# KiCad board Keyboard.kicad_pcb
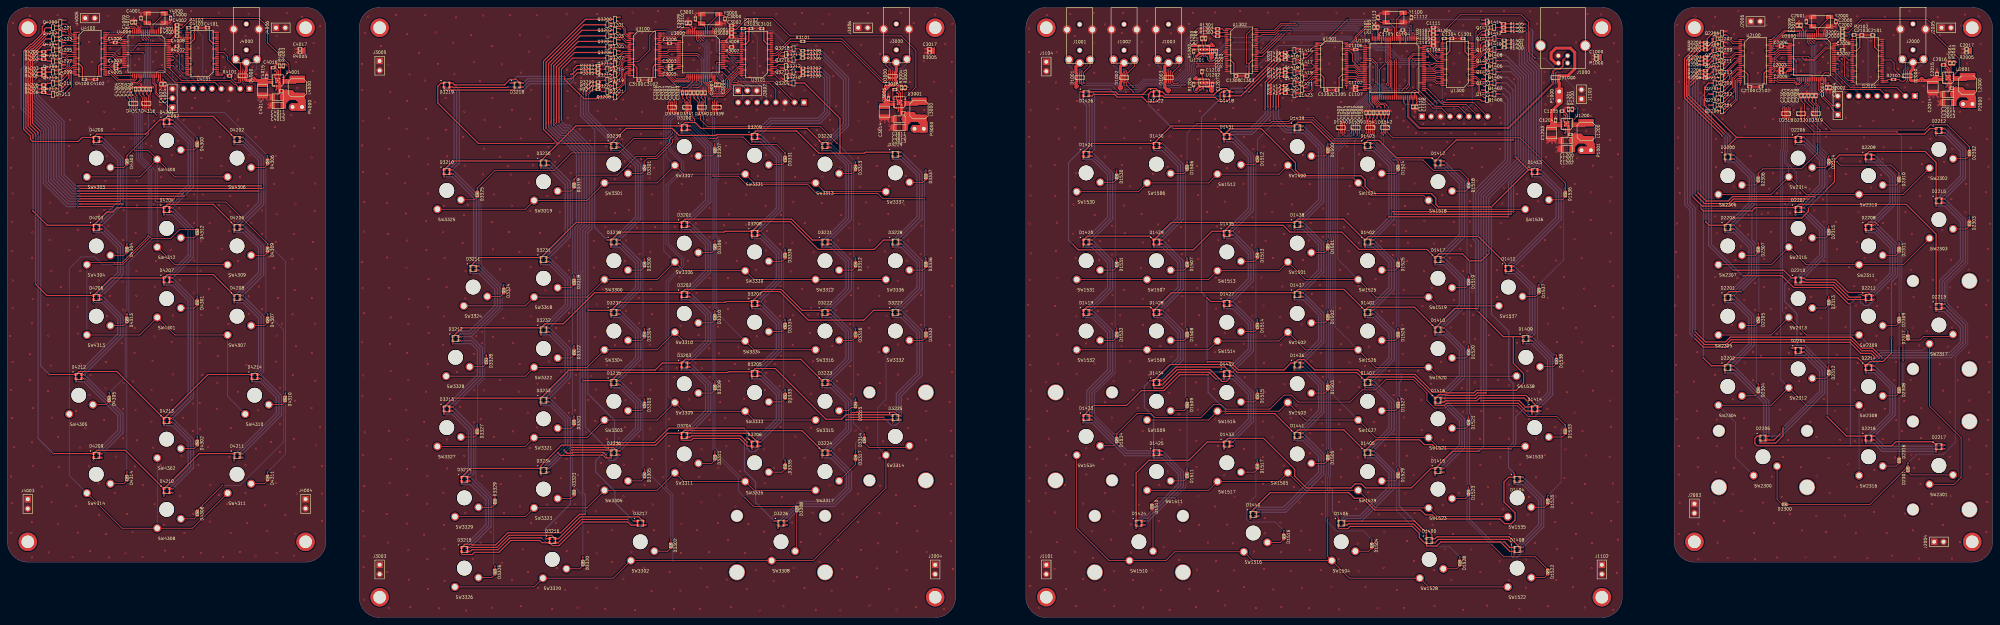
[diagram p0: board, top side]
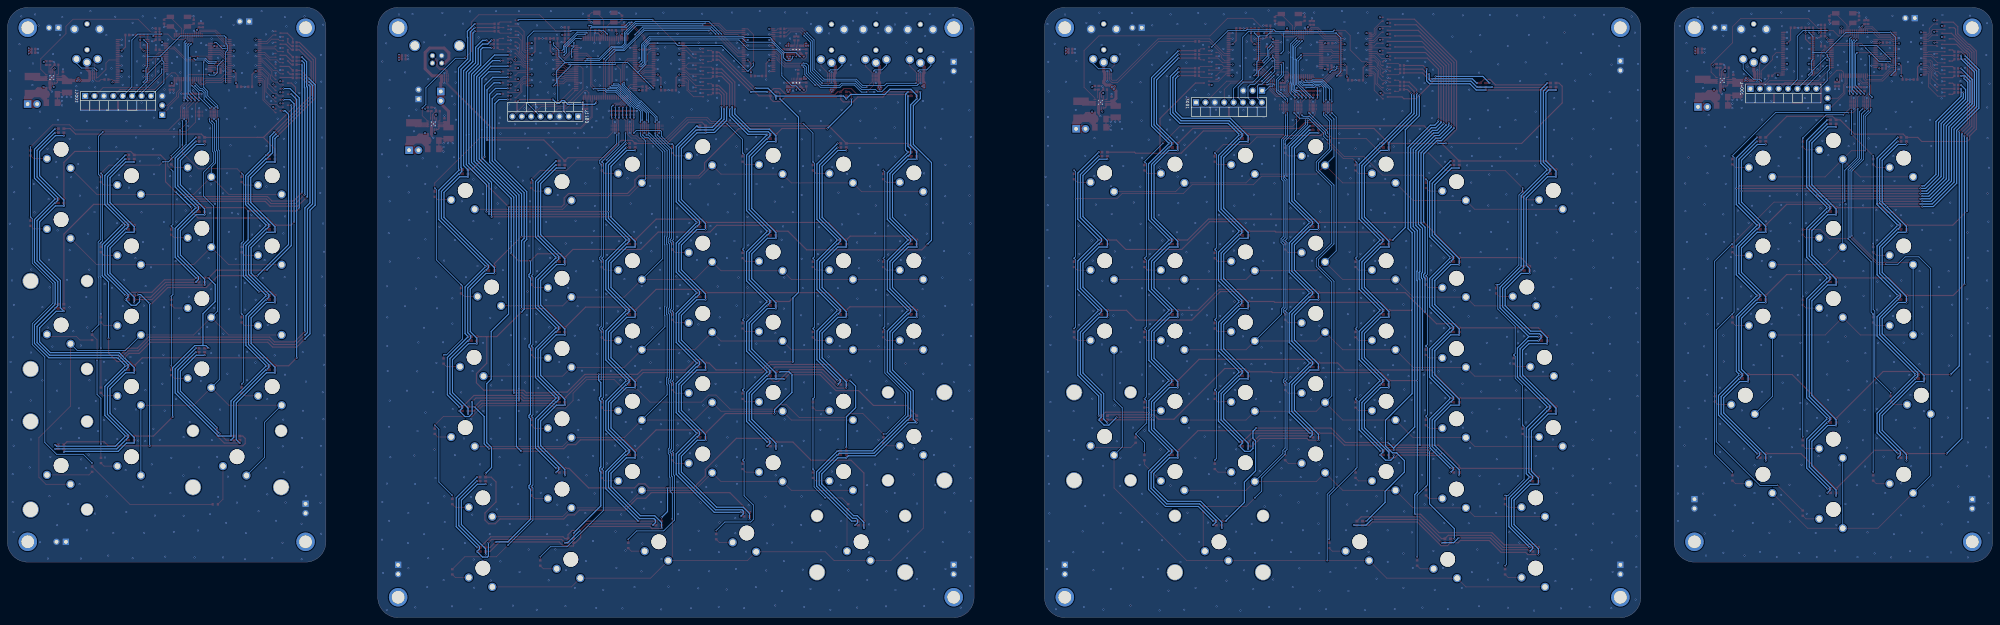
[diagram p1: board, bottom side, seen from below]

Outline 536 x 165 mm; copper layers: Top, In1.Cu (plane), In2.Cu (plane), Bottom. Coordinates in mm from the lower left corner of the outline.
Outline path: 0,159.5 0,20.5 arc(1.61,16.61) 5.5,15 80.5,15 arc(84.39,16.61) 86,20.5 86,159.5 arc(84.39,163.39) 80.5,165 5.5,165 arc(1.61,163.39) 0,159.5 ; 95,159.5 95,5.5 arc(96.61,1.61) 100.5,0 250.5,0 arc(254.39,1.61) 256,5.5 256,159.5 arc(254.39,163.39) 250.5,165 100.5,165 arc(96.61,163.39) 95,159.5 ; 275,159.5 275,5.5 arc(276.61,1.61) 280.5,0 430.5,0 arc(434.39,1.61) 436,5.5 436,159.5 arc(434.39,163.39) 430.5,165 280.5,165 arc(276.61,163.39) 275,159.5 ; 450,159.5 450,20.5 arc(451.61,16.61) 455.5,15 530.5,15 arc(534.39,16.61) 536,20.5 536,159.5 arc(534.39,163.39) 530.5,165 455.5,165 arc(451.61,163.39) 450,159.5
Stack: Top 0.035mm / dielectric 0.14mm FR4 er 4.5 / In1.Cu 0.035mm / dielectric 1.2mm FR4 er 4.5 / In2.Cu 0.035mm / dielectric 0.14mm FR4 er 4.5 / Bottom 0.035mm

## Placement (name value [footprint] x y rotation side)
C1000  4.7nF_50V  [C_0402]  429 152 180 top
C1100  1.0uF_6.3V  [C_0402]  370 159.6 270 top
C1101  100nF_16V  [C_0402]  369 159.6 90 top
C1102  2.2uF_6.3V  [C_0402]  364 143.6 0 top
C1103  4.7uF_6.3V  [C_0402]  385 155.6 0 top
C1104  100nF_16V  [C_0402]  376.75 158.85 180 top
C1105  100nF_16V  [C_0402]  372.25 158.85 180 top
C1106  100nF_16V  [C_0402]  364 153.6 0 top
C1107  100nF_16V  [C_0402]  364 142.6 0 top
C1108  100nF_16V  [C_0402]  380.5 138.1 90 top
C1109  100nF_16V  [C_0402]  385 154.6 180 top
C1110  2.2uF_6.3V  [C_0402]  379.5 138.1 90 top
C1111  100nF_16V  [C_0402]  385 159.6 180 top
C1112  18pF_50V  [C_0402]  379.05 162.25 270 top
C1113  18pF_50V  [C_0402]  370.05 162.25 90 top
C1200  100nF_16V  [C_0402]  422 130.65 180 top
C1201  10uF_16V  [C_1206]  421 129 180 top
C1202  10uF_16V  [C_1206]  421 126.75 180 top
C1203  10uF_35V  [C_1210]  416.9 131 270 top
C1204  100nF_16V  [C_0402]  418 134.5 90 top
C1205  390pF_50V  [C_0402]  419.75 136.95 0 top
C1206  100nF_16V  [C_0402]  325.4 153.15 90 top
C1207  100nF_16V  [C_0402]  325.4 144.15 90 top
C1208  10nF_25V  [C_0402]  323.5 156.6 270 top
C1209  10nF_25V  [C_0402]  322.5 156.6 270 top
C1210  10nF_25V  [C_0402]  322.5 147.6 270 top
C1300  100nF_16V  [C_0402]  331.7 146.45 0 top
C1301  100nF_16V  [C_0402]  393 156.6 180 top
C1302  100nF_16V  [C_0402]  356 142.6 0 top
C1303  100nF_16V  [C_0402]  334.7 146.45 180 top
C1304  100nF_16V  [C_0402]  390 156.6 0 top
C1305  100nF_16V  [C_0402]  359 142.6 180 top
C1500  220pF_50V  [C_0402]  366.85 136.5 90 top
C1501  220pF_50V  [C_0402]  367.85 136.5 90 top
C1502  220pF_50V  [C_0402]  368.85 136.5 90 top
C1503  220pF_50V  [C_0402]  369.85 136.5 90 top
C1504  220pF_50V  [C_0402]  370.85 136.5 90 top
C1505  220pF_50V  [C_0402]  371.85 136.5 90 top
C1506  220pF_50V  [C_0402]  372.85 136.5 90 top
C2000  18pF_50V  [C_0402]  493.69 161.14 270 top
C2001  18pF_50V  [C_0402]  485.69 161.14 90 top
C2002  100nF_16V  [C_0402]  495.44 159.29 180 top
C2003  2.2uF_6.3V  [C_0402]  478.94 148.34 0 top
C2004  4.7uF_6.3V  [C_0402]  492.14 143.29 270 top
C2005  100nF_16V  [C_0402]  478.94 147.34 0 top
C2006  100nF_16V  [C_0402]  478.94 154.54 0 top
C2007  100nF_16V  [C_0402]  491.14 143.29 90 top
C2008  100nF_16V  [C_0402]  495.44 156.29 180 top
C2009  1.0uF_6.3V  [C_0402]  483.24 160.14 270 top
C2010  100nF_16V  [C_0402]  484.24 160.14 90 top
C2011  100nF_16V  [C_0402]  525 143.15 180 top
C2012  10uF_16V  [C_1206]  524 139.25 180 top
C2013  10uF_16V  [C_1206]  524 141.5 180 top
C2014  10uF_35V  [C_1210]  519.9 143.5 270 top
C2015  100nF_16V  [C_0402]  521 147 90 top
C2016  390pF_50V  [C_0402]  522.75 149.45 0 top
C2017  4.7nF_50V  [C_0402]  529 153.75 180 top
C2100  100nF_16V  [C_0402]  470.44 143.54 0 top
C2101  100nF_16V  [C_0402]  503.64 157.54 180 top
C2102  100nF_16V  [C_0402]  473.44 143.54 180 top
C2103  100nF_16V  [C_0402]  500.69 157.54 0 top
C2300  220pF_50V  [C_0402]  488.29 141.14 90 top
C2301  220pF_50V  [C_0402]  487.29 141.14 90 top
C2302  220pF_50V  [C_0402]  486.29 141.14 90 top
C2303  220pF_50V  [C_0402]  485.29 141.14 90 top
C2304  220pF_50V  [C_0402]  484.29 141.14 90 top
C3000  18pF_50V  [C_0402]  193.75 161.9 270 top
C3001  18pF_50V  [C_0402]  185.75 161.9 90 top
C3002  100nF_16V  [C_0402]  195.5 160.05 180 top
C3003  2.2uF_6.3V  [C_0402]  179 149.3 0 top
C3004  4.7uF_6.3V  [C_0402]  192.2 144.05 270 top
C3005  100nF_16V  [C_0402]  179 148.3 0 top
C3006  100nF_16V  [C_0402]  178.8 155.3 0 top
C3007  100nF_16V  [C_0402]  191.2 144.05 90 top
C3008  100nF_16V  [C_0402]  195.5 157.05 180 top
C3009  1.0uF_6.3V  [C_0402]  183.3 160.8 270 top
C3010  100nF_16V  [C_0402]  184.3 160.8 90 top
C3011  100nF_16V  [C_0402]  241.88 136.47 180 top
C3012  10uF_16V  [C_1206]  240.88 134.82 180 top
C3013  10uF_16V  [C_1206]  240.88 132.57 180 top
C3014  10uF_35V  [C_1210]  236.77 136.82 270 top
C3015  100nF_16V  [C_0402]  237.88 140.32 90 top
C3016  390pF_50V  [C_0402]  239.62 142.78 0 top
C3017  4.7nF_50V  [C_0402]  249 153.75 180 top
C3100  100nF_16V  [C_0402]  170.5 145.3 0 top
C3101  100nF_16V  [C_0402]  203.7 159.3 180 top
C3102  100nF_16V  [C_0402]  173.5 145.3 180 top
C3103  100nF_16V  [C_0402]  200.75 159.3 0 top
C3300  220pF_50V  [C_0402]  188.35 141.9 90 top
C3301  220pF_50V  [C_0402]  187.35 141.9 90 top
C3302  220pF_50V  [C_0402]  186.35 141.9 90 top
C3303  220pF_50V  [C_0402]  185.35 141.9 90 top
C3304  220pF_50V  [C_0402]  184.35 141.9 90 top
C3305  220pF_50V  [C_0402]  183.35 141.9 90 top
C3306  220pF_50V  [C_0402]  182.3 141.9 90 top
C4000  18pF_50V  [C_0402]  44.05 162.1 270 top
C4001  18pF_50V  [C_0402]  36.05 162.1 90 top
C4002  100nF_16V  [C_0402]  45.8 160.25 180 top
C4003  2.2uF_6.3V  [C_0402]  29.3 149.5 0 top
C4004  4.7uF_6.3V  [C_0402]  42.5 144.25 270 top
C4005  100nF_16V  [C_0402]  29.3 148.5 0 top
C4006  100nF_16V  [C_0402]  29.1 155.5 0 top
C4007  100nF_16V  [C_0402]  41.5 144.25 90 top
C4008  100nF_16V  [C_0402]  45.8 157.25 180 top
C4009  1.0uF_6.3V  [C_0402]  33.6 161 270 top
C4010  100nF_16V  [C_0402]  34.6 161 90 top
C4011  100nF_16V  [C_0402]  74 142.4 180 top
C4012  10uF_16V  [C_1206]  73 138.5 180 top
C4013  10uF_16V  [C_1206]  73 140.75 180 top
C4014  10uF_35V  [C_1210]  68.9 142.75 270 top
C4015  100nF_16V  [C_0402]  70 146.25 90 top
C4016  390pF_50V  [C_0402]  71.75 148.7 0 top
C4017  4.7nF_50V  [C_0402]  79 153.8 180 top
C4100  100nF_16V  [C_0402]  20.8 145.5 0 top
C4101  100nF_16V  [C_0402]  54 159.5 180 top
C4102  100nF_16V  [C_0402]  23.8 145.5 180 top
C4103  100nF_16V  [C_0402]  51.05 159.5 0 top
C4300  220pF_50V  [C_0402]  38.6 142.9 90 top
C4301  220pF_50V  [C_0402]  37.6 142.9 90 top
C4302  220pF_50V  [C_0402]  36.6 142.9 90 top
C4303  220pF_50V  [C_0402]  35.6 142.9 90 top
C4304  220pF_50V  [C_0402]  34.6 142.9 90 top
D1000  TPD4E02B04  [USON10]  418 146 90 top
D1001  TPD4E02B04  [USON10]  289.5 146 90 top
D1002  TPD4E02B04  [USON10]  301.5 146 90 top
D1003  TPD4E02B04  [USON10]  313.5 146 90 top
D1400  APTF1616LSEEZGKQBKC  [APTF1616-RGB]  383.88 20.8 180 top
D1401  APTF1616LSEEZGKQBKC  [APTF1616-RGB]  367.25 82.55 180 top
D1402  APTF1616LSEEZGKQBKC  [APTF1616-RGB]  367.25 101.55 180 top
D1403  APTF1616LSEEZGKQBKC  [APTF1616-RGB]  367.25 127.67 180 top
D1404  APTF1616LSEEZGKQBKC  [APTF1616-RGB]  407.62 37.43 180 top
D1405  APTF1616LSEEZGKQBKC  [APTF1616-RGB]  367.25 44.55 180 top
D1406  APTF1616LSEEZGKQBKC  [APTF1616-RGB]  360.12 25.55 180 top
D1407  APTF1616LSEEZGKQBKC  [APTF1616-RGB]  367.25 63.55 180 top
D1408  APTF1616LSEEZGKQBKC  [APTF1616-RGB]  407.62 18.43 180 top
D1409  APTF1616LSEEZGKQBKC  [APTF1616-RGB]  410 75.42 180 top
D1410  APTF1616LSEEZGKQBKC  [APTF1616-RGB]  386.25 77.8 180 top
D1411  APTF1616LSEEZGKQBKC  [APTF1616-RGB]  405.25 94.42 180 top
D1412  APTF1616LSEEZGKQBKC  [APTF1616-RGB]  386.25 122.92 180 top
D1413  APTF1616LSEEZGKQBKC  [APTF1616-RGB]  412.38 120.55 180 top
D1414  APTF1616LSEEZGKQBKC  [APTF1616-RGB]  412.38 56.43 180 top
D1415  APTF1616LSEEZGKQBKC  [APTF1616-RGB]  386.25 39.8 180 top
D1416  APTF1616LSEEZGKQBKC  [APTF1616-RGB]  386.25 58.8 180 top
D1417  APTF1616LSEEZGKQBKC  [APTF1616-RGB]  386.25 96.8 180 top
D1418  APTF1616LSEEZGKQBKC  [APTF1616-RGB]  329.25 141.62 180 top
D1419  APTF1616LSEEZGKQBKC  [APTF1616-RGB]  291.25 82.55 180 top
D1420  APTF1616LSEEZGKQBKC  [APTF1616-RGB]  291.25 101.55 180 top
D1421  APTF1616LSEEZGKQBKC  [APTF1616-RGB]  291.25 125.3 180 top
D1422  APTF1616LSEEZGKQBKC  [APTF1616-RGB]  310.25 141.62 180 top
D1423  APTF1616LSEEZGKQBKC  [APTF1616-RGB]  291.25 54.05 180 top
D1424  APTF1616LSEEZGKQBKC  [APTF1616-RGB]  305.5 25.55 180 top
D1425  APTF1616LSEEZGKQBKC  [APTF1616-RGB]  310.25 44.55 180 top
D1426  APTF1616LSEEZGKQBKC  [APTF1616-RGB]  291.25 141.62 180 top
D1427  APTF1616LSEEZGKQBKC  [APTF1616-RGB]  329.25 84.92 180 top
D1428  APTF1616LSEEZGKQBKC  [APTF1616-RGB]  310.25 82.55 180 top
D1429  APTF1616LSEEZGKQBKC  [APTF1616-RGB]  310.25 101.55 180 top
D1430  APTF1616LSEEZGKQBKC  [APTF1616-RGB]  310.25 127.67 180 top
D1431  APTF1616LSEEZGKQBKC  [APTF1616-RGB]  329.25 130.05 180 top
D1432  APTF1616LSEEZGKQBKC  [APTF1616-RGB]  329.25 65.92 180 top
D1433  APTF1616LSEEZGKQBKC  [APTF1616-RGB]  329.25 46.93 180 top
D1434  APTF1616LSEEZGKQBKC  [APTF1616-RGB]  310.25 63.55 180 top
D1435  APTF1616LSEEZGKQBKC  [APTF1616-RGB]  329.25 103.92 180 top
D1436  APTF1616LSEEZGKQBKC  [APTF1616-RGB]  348.25 68.3 180 top
D1437  APTF1616LSEEZGKQBKC  [APTF1616-RGB]  348.25 87.3 180 top
D1438  APTF1616LSEEZGKQBKC  [APTF1616-RGB]  348.25 106.3 180 top
D1439  APTF1616LSEEZGKQBKC  [APTF1616-RGB]  348.25 132.43 180 top
D1440  APTF1616LSEEZGKQBKC  [APTF1616-RGB]  336.38 27.93 180 top
D1441  APTF1616LSEEZGKQBKC  [APTF1616-RGB]  348.25 49.3 180 top
D1500  CDSUR4148  [SOD-523]  356.5 126.38 270 top
D1501  CDSUR4148  [SOD-523]  356.5 100.25 270 top
D1502  CDSUR4148  [SOD-523]  356.5 81.25 270 top
D1503  CDSUR4148  [SOD-523]  356.5 62.25 270 top
D1504  CDSUR4148  [SOD-523]  368.38 19.5 270 top
D1505  CDSUR4148  [SOD-523]  356.5 43.25 270 top
D1506  CDSUR4148  [SOD-523]  318.5 121.62 270 top
D1507  CDSUR4148  [SOD-523]  318.5 95.5 270 top
D1508  CDSUR4148  [SOD-523]  318.5 76.5 270 top
D1509  CDSUR4148  [SOD-523]  318.5 57.5 270 top
D1510  CDSUR4148  [SOD-523]  309 30 270 top
D1511  CDSUR4148  [SOD-523]  318.5 38.5 270 top
D1512  CDSUR4148  [SOD-523]  337.5 124 270 top
D1513  CDSUR4148  [SOD-523]  337.5 97.88 270 top
D1514  CDSUR4148  [SOD-523]  337.5 78.88 270 top
D1515  CDSUR4148  [SOD-523]  337.5 59.88 270 top
D1516  CDSUR4148  [SOD-523]  344.62 21.88 270 top
D1517  CDSUR4148  [SOD-523]  337.5 40.88 270 top
D1518  CDSUR4148  [SOD-523]  394.5 116.88 270 top
D1519  CDSUR4148  [SOD-523]  394.5 90.75 270 top
D1520  CDSUR4148  [SOD-523]  394.5 71.75 270 top
D1521  CDSUR4148  [SOD-523]  394.5 52.75 270 top
D1522  CDSUR4148  [SOD-523]  415.88 12.38 270 top
D1523  CDSUR4148  [SOD-523]  394.5 33.75 270 top
D1524  CDSUR4148  [SOD-523]  375.5 121.62 270 top
D1525  CDSUR4148  [SOD-523]  375.5 95.5 270 top
D1526  CDSUR4148  [SOD-523]  375.5 76.5 270 top
D1527  CDSUR4148  [SOD-523]  375.5 57.5 270 top
D1528  CDSUR4148  [SOD-523]  392.12 14.75 270 top
D1529  CDSUR4148  [SOD-523]  375.5 38.5 270 top
D1530  CDSUR4148  [SOD-523]  299.5 119.25 270 top
D1531  CDSUR4148  [SOD-523]  299.5 95.5 270 top
D1532  CDSUR4148  [SOD-523]  299.5 76.5 270 top
D1533  CDSUR4148  [SOD-523]  420.62 50.38 270 top
D1534  CDSUR4148  [SOD-523]  299.5 48 270 top
D1535  CDSUR4148  [SOD-523]  415.88 31.38 270 top
D1536  CDSUR4148  [SOD-523]  420.62 114.5 270 top
D1537  CDSUR4148  [SOD-523]  413.5 88.38 270 top
D1538  CDSUR4148  [SOD-523]  418.25 69.38 270 top
D1539  TPD4E02B04  [USON10]  364 132.51 90 top
D1540  TPD4E02B04  [USON10]  360 132.5 90 top
D1541  TPD4E02B04  [USON10]  368 132.51 270 top
D1542  TPD4E02B04  [USON10]  372 132.5 270 top
D2000  TPD4E02B04  [USON10]  513 146.5 90 top
D2200  APTF1616LSEEZGKQBKC  [APTF1616-RGB]  464.5 124.55 180 top
D2201  APTF1616LSEEZGKQBKC  [APTF1616-RGB]  464.5 86.55 180 top
D2202  APTF1616LSEEZGKQBKC  [APTF1616-RGB]  464.5 67.55 180 top
D2203  APTF1616LSEEZGKQBKC  [APTF1616-RGB]  464.5 105.55 180 top
D2204  APTF1616LSEEZGKQBKC  [APTF1616-RGB]  483.5 72.3 180 top
D2205  APTF1616LSEEZGKQBKC  [APTF1616-RGB]  474 48.55 180 top
D2206  APTF1616LSEEZGKQBKC  [APTF1616-RGB]  483.5 129.3 180 top
D2207  APTF1616LSEEZGKQBKC  [APTF1616-RGB]  483.5 110.3 180 top
D2208  APTF1616LSEEZGKQBKC  [APTF1616-RGB]  502.5 105.55 180 top
D2209  APTF1616LSEEZGKQBKC  [APTF1616-RGB]  502.5 124.55 180 top
D2210  APTF1616LSEEZGKQBKC  [APTF1616-RGB]  483.5 91.3 180 top
D2211  APTF1616LSEEZGKQBKC  [APTF1616-RGB]  502.5 86.55 180 top
D2212  APTF1616LSEEZGKQBKC  [APTF1616-RGB]  521.5 131.68 180 top
D2213  APTF1616LSEEZGKQBKC  [APTF1616-RGB]  521.5 84.17 180 top
D2214  APTF1616LSEEZGKQBKC  [APTF1616-RGB]  502.5 67.55 180 top
D2215  APTF1616LSEEZGKQBKC  [APTF1616-RGB]  521.5 112.67 180 top
D2216  APTF1616LSEEZGKQBKC  [APTF1616-RGB]  502.5 48.55 180 top
D2217  APTF1616LSEEZGKQBKC  [APTF1616-RGB]  521.5 46.18 180 top
D2300  CDSUR4148  [SOD-523]  479.88 30.62 180 top
D2301  CDSUR4148  [SOD-523]  513.12 40.12 270 top
D2302  CDSUR4148  [SOD-523]  529.75 125.62 270 top
D2303  CDSUR4148  [SOD-523]  529.75 106.62 270 top
D2304  CDSUR4148  [SOD-523]  472.75 61.5 270 top
D2305  CDSUR4148  [SOD-523]  472.75 80.5 270 top
D2306  CDSUR4148  [SOD-523]  472.75 118.5 270 top
D2307  CDSUR4148  [SOD-523]  472.75 99.5 270 top
D2308  CDSUR4148  [SOD-523]  510.75 61.5 270 top
D2309  CDSUR4148  [SOD-523]  510.75 80.5 270 top
D2310  CDSUR4148  [SOD-523]  510.75 118.5 270 top
D2311  CDSUR4148  [SOD-523]  510.75 99.5 270 top
D2312  CDSUR4148  [SOD-523]  491.75 66.25 270 top
D2313  CDSUR4148  [SOD-523]  491.75 85.25 270 top
D2314  CDSUR4148  [SOD-523]  491.75 123.25 270 top
D2315  CDSUR4148  [SOD-523]  491.75 104.25 270 top
D2316  CDSUR4148  [SOD-523]  510.75 42.5 270 top
D2317  CDSUR4148  [SOD-523]  513.12 75.75 270 top
D2318  TPD4E02B04  [USON10]  480.25 136.26 270 top
D2319  TPD4E02B04  [USON10]  488.25 136.26 90 top
D2320  TPD4E02B04  [USON10]  484.25 136.25 90 top
D3000  TPD4E02B04  [USON10]  239 146.41 90 top
D3200  APTF1616LSEEZGKQBKC  [APTF1616-RGB]  182.75 132.43 180 top
D3201  APTF1616LSEEZGKQBKC  [APTF1616-RGB]  182.75 106.3 180 top
D3202  APTF1616LSEEZGKQBKC  [APTF1616-RGB]  182.75 87.3 180 top
D3203  APTF1616LSEEZGKQBKC  [APTF1616-RGB]  182.75 68.3 180 top
D3204  APTF1616LSEEZGKQBKC  [APTF1616-RGB]  182.75 49.3 180 top
D3205  APTF1616LSEEZGKQBKC  [APTF1616-RGB]  201.75 65.92 180 top
D3206  APTF1616LSEEZGKQBKC  [APTF1616-RGB]  201.75 46.93 180 top
D3207  APTF1616LSEEZGKQBKC  [APTF1616-RGB]  201.75 84.92 180 top
D3208  APTF1616LSEEZGKQBKC  [APTF1616-RGB]  201.75 103.92 180 top
D3209  APTF1616LSEEZGKQBKC  [APTF1616-RGB]  201.75 130.05 180 top
D3210  APTF1616LSEEZGKQBKC  [APTF1616-RGB]  118.62 120.55 180 top
D3211  APTF1616LSEEZGKQBKC  [APTF1616-RGB]  125.75 94.42 180 top
D3212  APTF1616LSEEZGKQBKC  [APTF1616-RGB]  121 75.42 180 top
D3213  APTF1616LSEEZGKQBKC  [APTF1616-RGB]  118.62 56.43 180 top
D3214  APTF1616LSEEZGKQBKC  [APTF1616-RGB]  123.38 37.43 180 top
D3215  APTF1616LSEEZGKQBKC  [APTF1616-RGB]  123.38 18.43 180 top
D3216  APTF1616LSEEZGKQBKC  [APTF1616-RGB]  147.12 20.8 180 top
D3217  APTF1616LSEEZGKQBKC  [APTF1616-RGB]  170.88 25.55 180 top
D3218  APTF1616LSEEZGKQBKC  [APTF1616-RGB]  137.62 144 180 top
D3219  APTF1616LSEEZGKQBKC  [APTF1616-RGB]  118.62 144 180 top
D3220  APTF1616LSEEZGKQBKC  [APTF1616-RGB]  220.75 127.67 180 top
D3221  APTF1616LSEEZGKQBKC  [APTF1616-RGB]  220.75 101.55 180 top
D3222  APTF1616LSEEZGKQBKC  [APTF1616-RGB]  220.75 82.55 180 top
D3223  APTF1616LSEEZGKQBKC  [APTF1616-RGB]  220.75 63.55 180 top
D3224  APTF1616LSEEZGKQBKC  [APTF1616-RGB]  220.75 44.55 180 top
D3225  APTF1616LSEEZGKQBKC  [APTF1616-RGB]  239.75 54.05 180 top
D3226  APTF1616LSEEZGKQBKC  [APTF1616-RGB]  208.88 25.55 180 top
D3227  APTF1616LSEEZGKQBKC  [APTF1616-RGB]  239.75 82.55 180 top
D3228  APTF1616LSEEZGKQBKC  [APTF1616-RGB]  239.75 101.55 180 top
D3229  APTF1616LSEEZGKQBKC  [APTF1616-RGB]  239.75 125.3 180 top
D3230  APTF1616LSEEZGKQBKC  [APTF1616-RGB]  144.75 122.92 180 top
D3231  APTF1616LSEEZGKQBKC  [APTF1616-RGB]  144.75 96.8 180 top
D3232  APTF1616LSEEZGKQBKC  [APTF1616-RGB]  144.75 77.8 180 top
D3233  APTF1616LSEEZGKQBKC  [APTF1616-RGB]  144.75 58.8 180 top
D3234  APTF1616LSEEZGKQBKC  [APTF1616-RGB]  144.75 39.8 180 top
D3235  APTF1616LSEEZGKQBKC  [APTF1616-RGB]  163.75 63.55 180 top
D3236  APTF1616LSEEZGKQBKC  [APTF1616-RGB]  163.75 44.55 180 top
D3237  APTF1616LSEEZGKQBKC  [APTF1616-RGB]  163.75 82.55 180 top
D3238  APTF1616LSEEZGKQBKC  [APTF1616-RGB]  163.75 101.55 180 top
D3239  APTF1616LSEEZGKQBKC  [APTF1616-RGB]  163.75 127.67 180 top
D3300  CDSUR4148  [SOD-523]  172 95.5 270 top
D3301  CDSUR4148  [SOD-523]  172 121.62 270 top
D3302  CDSUR4148  [SOD-523]  179.12 19.5 270 top
D3303  CDSUR4148  [SOD-523]  172 57.5 270 top
D3304  CDSUR4148  [SOD-523]  172 76.5 270 top
D3305  CDSUR4148  [SOD-523]  172 38.5 270 top
D3306  CDSUR4148  [SOD-523]  191 100.25 270 top
D3307  CDSUR4148  [SOD-523]  191 126.38 270 top
D3308  CDSUR4148  [SOD-523]  213.12 29.34 270 top
D3309  CDSUR4148  [SOD-523]  191 62.25 270 top
D3310  CDSUR4148  [SOD-523]  191 81.25 270 top
D3311  CDSUR4148  [SOD-523]  191 43.25 270 top
D3312  CDSUR4148  [SOD-523]  229 95.5 270 top
D3313  CDSUR4148  [SOD-523]  229 121.62 270 top
D3314  CDSUR4148  [SOD-523]  231.38 48 270 top
D3315  CDSUR4148  [SOD-523]  229 57.5 270 top
D3316  CDSUR4148  [SOD-523]  229 76.5 270 top
D3317  CDSUR4148  [SOD-523]  229 43.25 270 top
D3318  CDSUR4148  [SOD-523]  153 90.75 270 top
D3319  CDSUR4148  [SOD-523]  153 116.88 270 top
D3320  CDSUR4148  [SOD-523]  155.38 14.75 270 top
D3321  CDSUR4148  [SOD-523]  153 52.75 270 top
D3322  CDSUR4148  [SOD-523]  153 71.75 270 top
D3323  CDSUR4148  [SOD-523]  153 33.75 270 top
D3324  CDSUR4148  [SOD-523]  134 88.38 270 top
D3325  CDSUR4148  [SOD-523]  126.88 114.5 270 top
D3326  CDSUR4148  [SOD-523]  131.62 12.38 270 top
D3327  CDSUR4148  [SOD-523]  126.88 50.38 270 top
D3328  CDSUR4148  [SOD-523]  129.31 69.38 270 top
D3329  CDSUR4148  [SOD-523]  131.62 31.38 270 top
D3330  CDSUR4148  [SOD-523]  210 97.88 270 top
D3331  CDSUR4148  [SOD-523]  210 124 270 top
D3332  CDSUR4148  [SOD-523]  248 76.5 270 top
D3333  CDSUR4148  [SOD-523]  210 59.88 270 top
D3334  CDSUR4148  [SOD-523]  210 78.88 270 top
D3335  CDSUR4148  [SOD-523]  210 40.88 270 top
D3336  CDSUR4148  [SOD-523]  248 95.5 270 top
D3337  CDSUR4148  [SOD-523]  248 119.25 270 top
D3338  TPD4E02B04  [USON10]  179.5 138 270 top
D3339  TPD4E02B04  [USON10]  191.5 138 270 top
D3340  TPD4E02B04  [USON10]  187.5 138 90 top
D3341  TPD4E02B04  [USON10]  183.5 138 90 top
D4000  TPD4E02B04  [USON10]  63.5 146.51 90 top
D4200  APTF1616LSEEZGKQBKC  [APTF1616-RGB]  24 129.3 180 top
D4201  APTF1616LSEEZGKQBKC  [APTF1616-RGB]  43 134.05 180 top
D4202  APTF1616LSEEZGKQBKC  [APTF1616-RGB]  62 129.3 180 top
D4203  APTF1616LSEEZGKQBKC  [APTF1616-RGB]  24 105.55 180 top
D4204  APTF1616LSEEZGKQBKC  [APTF1616-RGB]  43 110.3 180 top
D4205  APTF1616LSEEZGKQBKC  [APTF1616-RGB]  62 105.55 180 top
D4206  APTF1616LSEEZGKQBKC  [APTF1616-RGB]  24 86.55 180 top
D4207  APTF1616LSEEZGKQBKC  [APTF1616-RGB]  43 91.3 180 top
D4208  APTF1616LSEEZGKQBKC  [APTF1616-RGB]  62 86.55 180 top
D4209  APTF1616LSEEZGKQBKC  [APTF1616-RGB]  24 43.8 180 top
D4210  APTF1616LSEEZGKQBKC  [APTF1616-RGB]  43 34.3 180 top
D4211  APTF1616LSEEZGKQBKC  [APTF1616-RGB]  62 43.8 180 top
D4212  APTF1616LSEEZGKQBKC  [APTF1616-RGB]  19.25 65.17 180 top
D4213  APTF1616LSEEZGKQBKC  [APTF1616-RGB]  43 53.3 180 top
D4214  APTF1616LSEEZGKQBKC  [APTF1616-RGB]  66.75 65.17 180 top
D4300  CDSUR4148  [SOD-523]  51.25 128 270 top
D4301  CDSUR4148  [SOD-523]  51.25 85.25 270 top
D4302  CDSUR4148  [SOD-523]  51.25 47.25 270 top
D4303  CDSUR4148  [SOD-523]  32.25 123.25 270 top
D4304  CDSUR4148  [SOD-523]  32.25 99.5 270 top
D4305  CDSUR4148  [SOD-523]  27.5 59.12 270 top
D4306  CDSUR4148  [SOD-523]  70.25 123.25 270 top
D4307  CDSUR4148  [SOD-523]  70.25 80.5 270 top
D4308  CDSUR4148  [SOD-523]  51.25 28.25 270 top
D4309  CDSUR4148  [SOD-523]  70.25 99.5 270 top
D4310  CDSUR4148  [SOD-523]  75 59.12 270 top
D4311  CDSUR4148  [SOD-523]  70.25 37.75 270 top
D4312  CDSUR4148  [SOD-523]  51.25 104.25 270 top
D4313  CDSUR4148  [SOD-523]  32.25 80.5 270 top
D4314  CDSUR4148  [SOD-523]  32.25 37.75 270 top
D4316  TPD4E02B04  [USON10]  37.5 139.01 90 top
D4317  TPD4E02B04  [USON10]  34 139 90 top
J1000  -  [USB-61400416121]  420 154.65 180 top
J1001  -  [FC68125]  289.5 153.4 0 top
J1002  -  [FC68125]  301.5 153.43 0 top
J1003  -  [FC68125]  313.5 153.43 0 top
J1100  Conn_01x08_H  [Pin_Header_Horizontal_1x08_Pitch2.54mm]  381.88 135.5 270 bottom
J1101  Conn_01x02  [Pin_Header_Straight_1x02_Pitch2.54mm]  280.5 14.28 0 top
J1102  Conn_01x02  [Pin_Header_Straight_1x02_Pitch2.54mm]  430.5 14.28 0 top
J1103  Conn_01x02  [Pin_Header_Straight_1x02_Pitch2.54mm]  425 140.22 180 top
J1104  Conn_01x02  [Pin_Header_Straight_1x02_Pitch2.54mm]  280.5 150.28 0 top
J2000  -  [FC68125]  514.5 153.53 0 top
J2001  Conn_01x08_H  [Pin_Header_Horizontal_1x08_Pitch2.54mm]  515.02 141.04 90 bottom
J2002  Conn_01x03  [Pin_Header_Straight_1x03_Pitch2.54mm]  494.2 135.95 180 top
J2003  Conn_01x02  [Pin_Header_Straight_1x02_Pitch2.54mm]  455.5 30.78 0 top
J2004  Conn_01x02  [Pin_Header_Straight_1x02_Pitch2.54mm]  520.22 20.5 90 top
J2005  Conn_01x02  [Pin_Header_Straight_1x02_Pitch2.54mm]  522.22 159.5 90 top
J2006  Conn_01x02  [Pin_Header_Straight_1x02_Pitch2.54mm]  470.72 161.2 90 top
J3000  -  [FC68125]  240 153.53 0 top
J3001  Conn_01x08_H  [Pin_Header_Horizontal_1x08_Pitch2.54mm]  215.08 139.3 90 bottom
J3002  Conn_01x03  [Pin_Header_Straight_1x03_Pitch2.54mm]  197.25 142.5 90 top
J3003  Conn_01x02  [Pin_Header_Straight_1x02_Pitch2.54mm]  100.5 14.28 0 top
J3004  Conn_01x02  [Pin_Header_Straight_1x02_Pitch2.54mm]  250.5 14.28 0 top
J3005  Conn_01x02  [Pin_Header_Straight_1x02_Pitch2.54mm]  100.5 150.5 0 top
J3006  Conn_01x02  [Pin_Header_Straight_1x02_Pitch2.54mm]  229.72 159.5 90 top
J4000  -  [FC68125]  64.5 153.5 0 top
J4001  Conn_01x08_H  [Pin_Header_Horizontal_1x08_Pitch2.54mm]  65.38 143 90 bottom
J4002  Conn_01x03  [Pin_Header_Straight_1x03_Pitch2.54mm]  44.55 137.9 180 top
J4003  Conn_01x02  [Pin_Header_Straight_1x02_Pitch2.54mm]  5.5 32 0 top
J4004  Conn_01x02  [Pin_Header_Straight_1x02_Pitch2.54mm]  80.5 32.03 0 top